# KiCad board keyboard.kicad_pcb
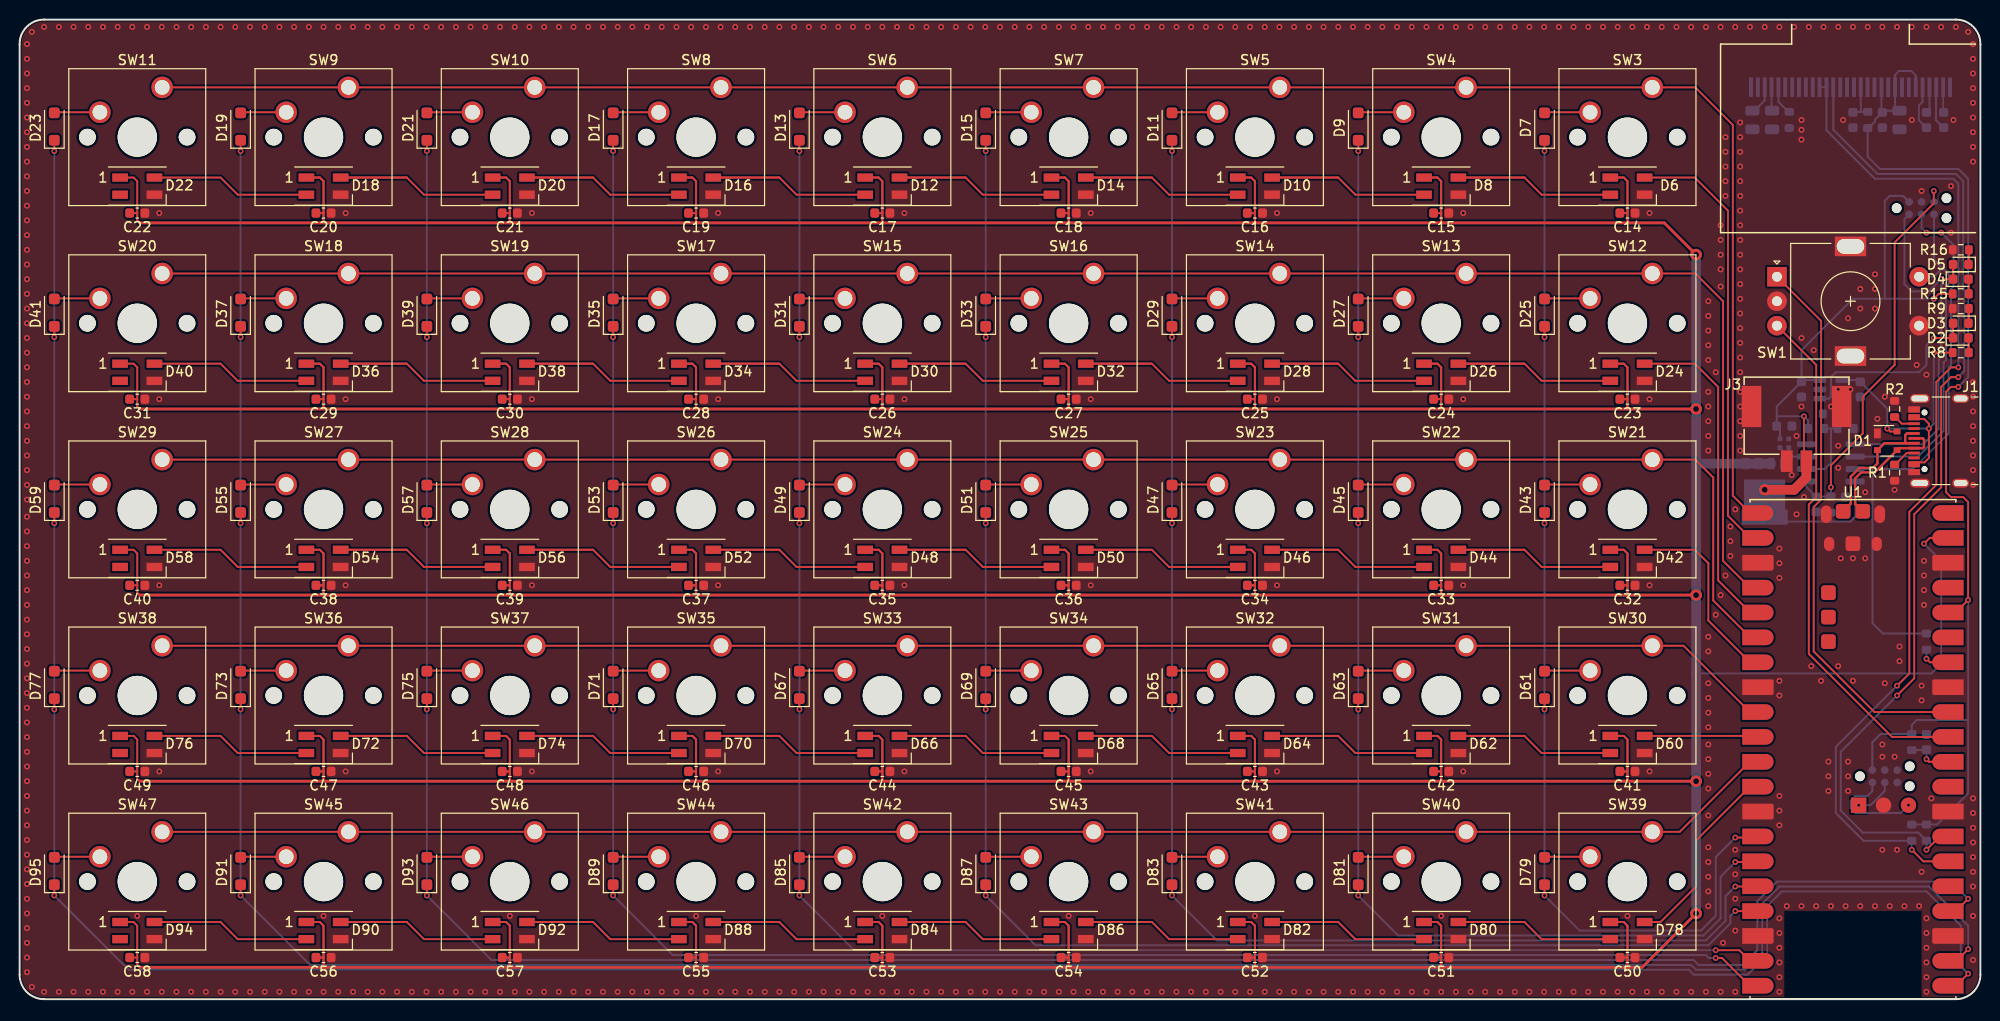
[diagram p0: board, top side]
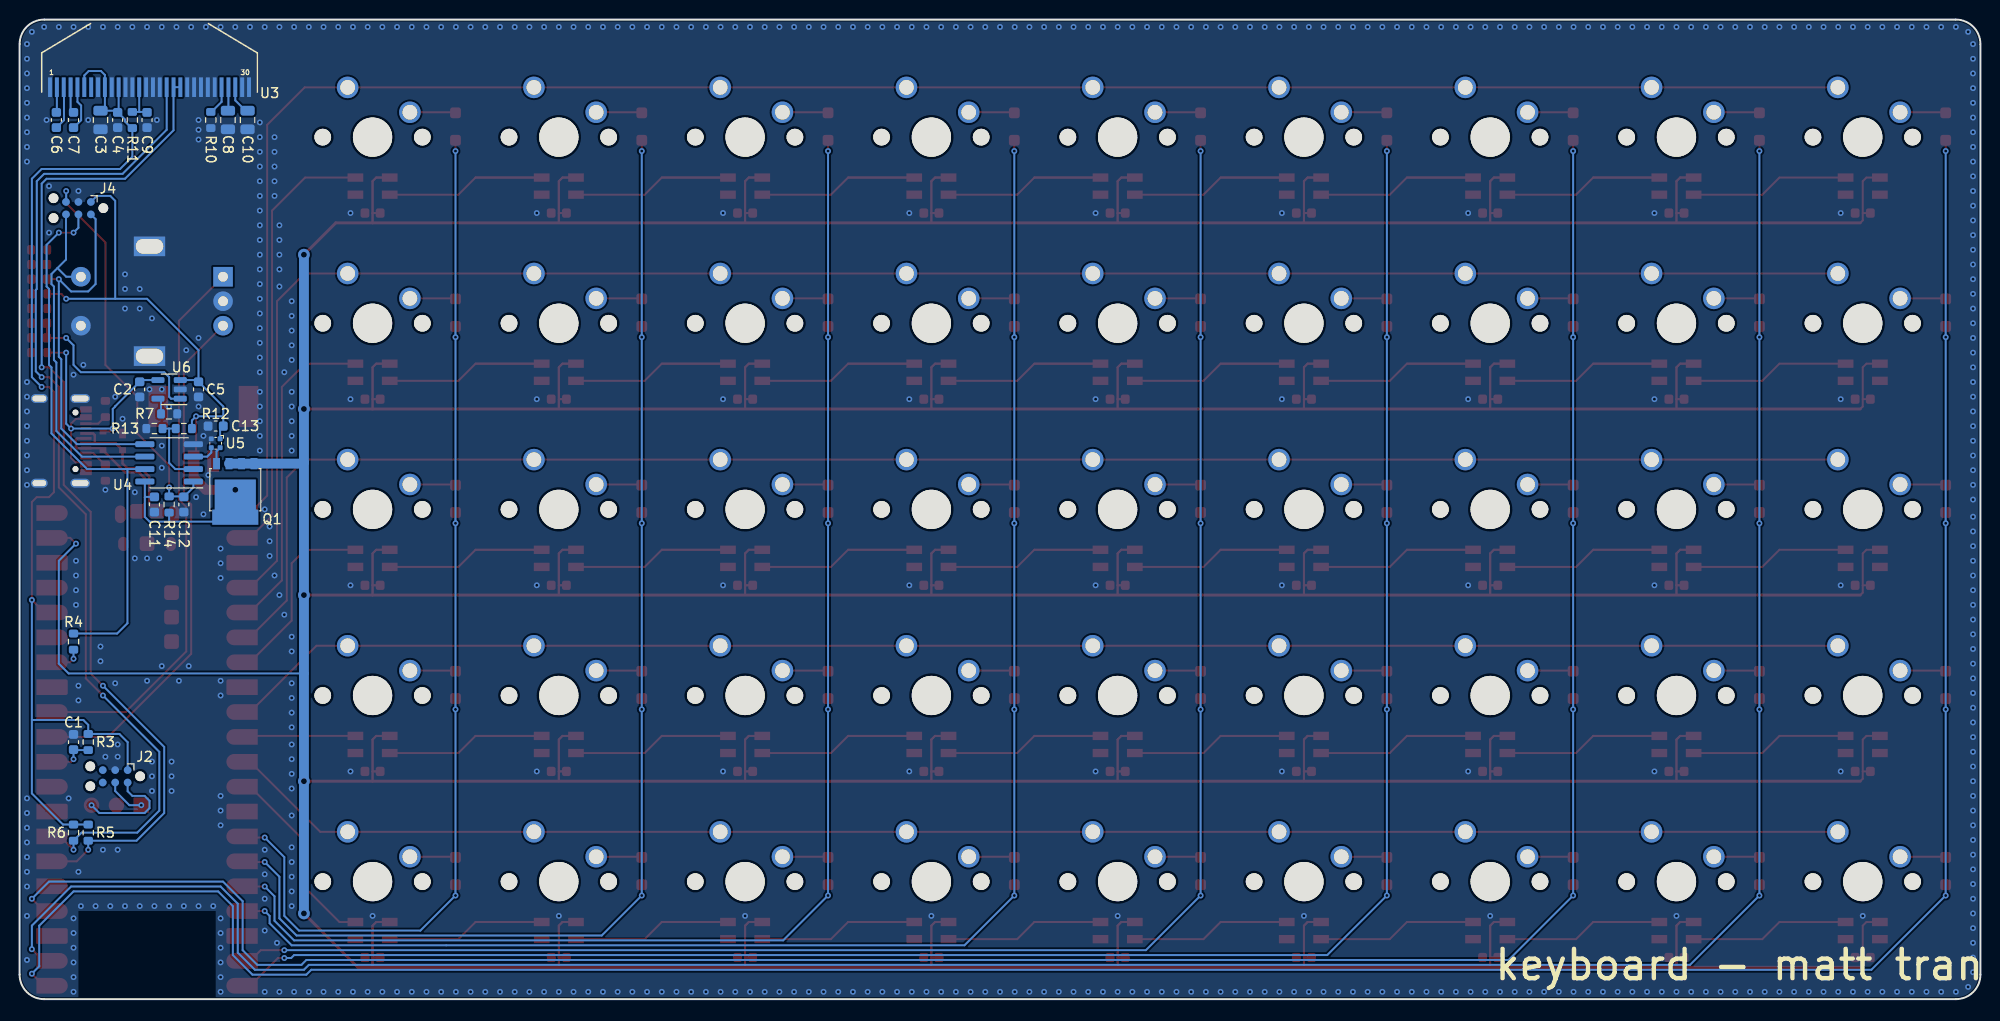
[diagram p1: board, bottom side, seen from below]

Outline 200 x 100 mm; copper layers: Top, Bottom. Coordinates in mm from the lower left corner of the outline.
Outline path: 0,97.5 0,2.5 arc(0.73,0.73) 2.5,0 197.5,0 arc(199.27,0.73) 200,2.5 200,97.5 arc(199.27,99.27) 197.5,100 2.5,100 arc(0.73,99.27) 0,97.5
Stack: Top 0.035mm / dielectric 1.51mm FR4 er 4.5 / Bottom 0.035mm

## Placement (name value [footprint] x y rotation side)
C1  100n  [C_0603_1608Metric]  194.5 26.25 90 bottom
C2  4u7  [C_0603_1608Metric]  187.75 62.25 270 bottom
C3  10u  [C_0805_2012Metric]  191.75 89.75 270 bottom
C4  100n  [C_0603_1608Metric]  190 89.75 270 bottom
C5  4u7  [C_0603_1608Metric]  181.75 62.25 270 bottom
C6  2u2  [C_0603_1608Metric]  196.25 89.75 270 bottom
C7  2u2  [C_0603_1608Metric]  194.5 89.75 270 bottom
C8  10u  [C_0805_2012Metric]  178.75 89.75 270 bottom
C9  100n  [C_0603_1608Metric]  187 89.75 270 bottom
C10  10u  [C_0805_2012Metric]  176.75 89.75 270 bottom
C11  100n  [C_0603_1608Metric]  186.25 50.5 270 bottom
C12  100n  [C_0603_1608Metric]  183.25 50.5 270 bottom
C13  4u7  [C_0603_1608Metric]  180 58.5 0 bottom
C14  100n  [C_0603_1608Metric]  164 80.25 180 top
C15  100n  [C_0603_1608Metric]  145 80.25 180 top
C16  100n  [C_0603_1608Metric]  126 80.25 180 top
C17  100n  [C_0603_1608Metric]  88 80.25 180 top
C18  100n  [C_0603_1608Metric]  107 80.25 180 top
C19  100n  [C_0603_1608Metric]  69 80.25 180 top
C20  100n  [C_0603_1608Metric]  31 80.25 180 top
C21  100n  [C_0603_1608Metric]  50 80.25 180 top
C22  100n  [C_0603_1608Metric]  12 80.25 180 top
C23  100n  [C_0603_1608Metric]  164 61.25 180 top
C24  100n  [C_0603_1608Metric]  145 61.25 180 top
C25  100n  [C_0603_1608Metric]  126 61.25 180 top
C26  100n  [C_0603_1608Metric]  88 61.25 180 top
C27  100n  [C_0603_1608Metric]  107 61.25 180 top
C28  100n  [C_0603_1608Metric]  69 61.25 180 top
C29  100n  [C_0603_1608Metric]  31 61.25 180 top
C30  100n  [C_0603_1608Metric]  50 61.25 180 top
C31  100n  [C_0603_1608Metric]  12 61.25 180 top
C32  100n  [C_0603_1608Metric]  164 42.25 180 top
C33  100n  [C_0603_1608Metric]  145 42.25 180 top
C34  100n  [C_0603_1608Metric]  126 42.25 180 top
C35  100n  [C_0603_1608Metric]  88 42.25 180 top
C36  100n  [C_0603_1608Metric]  107 42.25 180 top
C37  100n  [C_0603_1608Metric]  69 42.25 180 top
C38  100n  [C_0603_1608Metric]  31 42.25 180 top
C39  100n  [C_0603_1608Metric]  50 42.25 180 top
C40  100n  [C_0603_1608Metric]  12 42.25 180 top
C41  100n  [C_0603_1608Metric]  164 23.25 180 top
C42  100n  [C_0603_1608Metric]  145 23.25 180 top
C43  100n  [C_0603_1608Metric]  126 23.25 180 top
C44  100n  [C_0603_1608Metric]  88 23.25 180 top
C45  100n  [C_0603_1608Metric]  107 23.25 180 top
C46  100n  [C_0603_1608Metric]  69 23.25 180 top
C47  100n  [C_0603_1608Metric]  31 23.25 180 top
C48  100n  [C_0603_1608Metric]  50 23.25 180 top
C49  100n  [C_0603_1608Metric]  12 23.25 180 top
C50  100n  [C_0603_1608Metric]  164 4.25 180 top
C51  100n  [C_0603_1608Metric]  145 4.25 180 top
C52  100n  [C_0603_1608Metric]  126 4.25 180 top
C53  100n  [C_0603_1608Metric]  88 4.25 180 top
C54  100n  [C_0603_1608Metric]  107 4.25 180 top
C55  100n  [C_0603_1608Metric]  69 4.25 180 top
C56  100n  [C_0603_1608Metric]  31 4.25 180 top
C57  100n  [C_0603_1608Metric]  50 4.25 180 top
C58  100n  [C_0603_1608Metric]  12 4.25 180 top
D1  PRTR5V0U2X  [SOT-143]  190.5 57 0 top
D2  CHRG  [LED_0603_1608Metric]  198 67.5 0 top
D3  FULL  [LED_0603_1608Metric]  198 69 180 top
D4  low_batt  [LED_0603_1608Metric]  198 73.5 0 top
D5  pwr  [LED_0603_1608Metric]  198 75 180 top
D6  WS2812B  [LED_SK6812MINI_PLCC4_3.5x3.5mm_P1.75mm]  164 83 0 top
D7  D_Schottky_Small_Filled  [D_SOD-123F]  155.54 89.08 90 top
D8  WS2812B  [LED_SK6812MINI_PLCC4_3.5x3.5mm_P1.75mm]  145 83 0 top
D9  D_Schottky_Small_Filled  [D_SOD-123F]  136.54 89.08 90 top
D10  WS2812B  [LED_SK6812MINI_PLCC4_3.5x3.5mm_P1.75mm]  126 83 0 top
D11  D_Schottky_Small_Filled  [D_SOD-123F]  117.54 89.08 90 top
D12  WS2812B  [LED_SK6812MINI_PLCC4_3.5x3.5mm_P1.75mm]  88 83 0 top
D13  D_Schottky_Small_Filled  [D_SOD-123F]  79.54 89.08 90 top
D14  WS2812B  [LED_SK6812MINI_PLCC4_3.5x3.5mm_P1.75mm]  107 83 0 top
D15  D_Schottky_Small_Filled  [D_SOD-123F]  98.54 89.08 90 top
D16  WS2812B  [LED_SK6812MINI_PLCC4_3.5x3.5mm_P1.75mm]  69 83 0 top
D17  D_Schottky_Small_Filled  [D_SOD-123F]  60.54 89.08 90 top
D18  WS2812B  [LED_SK6812MINI_PLCC4_3.5x3.5mm_P1.75mm]  31 83 0 top
D19  D_Schottky_Small_Filled  [D_SOD-123F]  22.54 89.08 90 top
D20  WS2812B  [LED_SK6812MINI_PLCC4_3.5x3.5mm_P1.75mm]  50 83 0 top
D21  D_Schottky_Small_Filled  [D_SOD-123F]  41.54 89.08 90 top
D22  WS2812B  [LED_SK6812MINI_PLCC4_3.5x3.5mm_P1.75mm]  12 83 0 top
D23  D_Schottky_Small_Filled  [D_SOD-123F]  3.54 89.08 90 top
D24  WS2812B  [LED_SK6812MINI_PLCC4_3.5x3.5mm_P1.75mm]  164 64 0 top
D25  D_Schottky_Small_Filled  [D_SOD-123F]  155.54 70.08 90 top
D26  WS2812B  [LED_SK6812MINI_PLCC4_3.5x3.5mm_P1.75mm]  145 64 0 top
D27  D_Schottky_Small_Filled  [D_SOD-123F]  136.54 70.08 90 top
D28  WS2812B  [LED_SK6812MINI_PLCC4_3.5x3.5mm_P1.75mm]  126 64 0 top
D29  D_Schottky_Small_Filled  [D_SOD-123F]  117.54 70.08 90 top
D30  WS2812B  [LED_SK6812MINI_PLCC4_3.5x3.5mm_P1.75mm]  88 64 0 top
D31  D_Schottky_Small_Filled  [D_SOD-123F]  79.54 70.08 90 top
D32  WS2812B  [LED_SK6812MINI_PLCC4_3.5x3.5mm_P1.75mm]  107 64 0 top
D33  D_Schottky_Small_Filled  [D_SOD-123F]  98.54 70.08 90 top
D34  WS2812B  [LED_SK6812MINI_PLCC4_3.5x3.5mm_P1.75mm]  69 64 0 top
D35  D_Schottky_Small_Filled  [D_SOD-123F]  60.54 70.08 90 top
D36  WS2812B  [LED_SK6812MINI_PLCC4_3.5x3.5mm_P1.75mm]  31 64 0 top
D37  D_Schottky_Small_Filled  [D_SOD-123F]  22.54 70.08 90 top
D38  WS2812B  [LED_SK6812MINI_PLCC4_3.5x3.5mm_P1.75mm]  50 64 0 top
D39  D_Schottky_Small_Filled  [D_SOD-123F]  41.54 70.08 90 top
D40  WS2812B  [LED_SK6812MINI_PLCC4_3.5x3.5mm_P1.75mm]  12 64 0 top
D41  D_Schottky_Small_Filled  [D_SOD-123F]  3.54 70.08 90 top
D42  WS2812B  [LED_SK6812MINI_PLCC4_3.5x3.5mm_P1.75mm]  164 45 0 top
D43  D_Schottky_Small_Filled  [D_SOD-123F]  155.54 51.08 90 top
D44  WS2812B  [LED_SK6812MINI_PLCC4_3.5x3.5mm_P1.75mm]  145 45 0 top
D45  D_Schottky_Small_Filled  [D_SOD-123F]  136.54 51.08 90 top
D46  WS2812B  [LED_SK6812MINI_PLCC4_3.5x3.5mm_P1.75mm]  126 45 0 top
D47  D_Schottky_Small_Filled  [D_SOD-123F]  117.54 51.08 90 top
D48  WS2812B  [LED_SK6812MINI_PLCC4_3.5x3.5mm_P1.75mm]  88 45 0 top
D49  D_Schottky_Small_Filled  [D_SOD-123F]  79.54 51.08 90 top
D50  WS2812B  [LED_SK6812MINI_PLCC4_3.5x3.5mm_P1.75mm]  107 45 0 top
D51  D_Schottky_Small_Filled  [D_SOD-123F]  98.54 51.08 90 top
D52  WS2812B  [LED_SK6812MINI_PLCC4_3.5x3.5mm_P1.75mm]  69 45 0 top
D53  D_Schottky_Small_Filled  [D_SOD-123F]  60.54 51.08 90 top
D54  WS2812B  [LED_SK6812MINI_PLCC4_3.5x3.5mm_P1.75mm]  31 45 0 top
D55  D_Schottky_Small_Filled  [D_SOD-123F]  22.54 51.08 90 top
D56  WS2812B  [LED_SK6812MINI_PLCC4_3.5x3.5mm_P1.75mm]  50 45 0 top
D57  D_Schottky_Small_Filled  [D_SOD-123F]  41.54 51.08 90 top
D58  WS2812B  [LED_SK6812MINI_PLCC4_3.5x3.5mm_P1.75mm]  12 45 0 top
D59  D_Schottky_Small_Filled  [D_SOD-123F]  3.54 51.08 90 top
D60  WS2812B  [LED_SK6812MINI_PLCC4_3.5x3.5mm_P1.75mm]  164 26 0 top
D61  D_Schottky_Small_Filled  [D_SOD-123F]  155.54 32.08 90 top
D62  WS2812B  [LED_SK6812MINI_PLCC4_3.5x3.5mm_P1.75mm]  145 26 0 top
D63  D_Schottky_Small_Filled  [D_SOD-123F]  136.54 32.08 90 top
D64  WS2812B  [LED_SK6812MINI_PLCC4_3.5x3.5mm_P1.75mm]  126 26 0 top
D65  D_Schottky_Small_Filled  [D_SOD-123F]  117.54 32.08 90 top
D66  WS2812B  [LED_SK6812MINI_PLCC4_3.5x3.5mm_P1.75mm]  88 26 0 top
D67  D_Schottky_Small_Filled  [D_SOD-123F]  79.54 32.08 90 top
D68  WS2812B  [LED_SK6812MINI_PLCC4_3.5x3.5mm_P1.75mm]  107 26 0 top
D69  D_Schottky_Small_Filled  [D_SOD-123F]  98.54 32.08 90 top
D70  WS2812B  [LED_SK6812MINI_PLCC4_3.5x3.5mm_P1.75mm]  69 26 0 top
D71  D_Schottky_Small_Filled  [D_SOD-123F]  60.54 32.08 90 top
D72  WS2812B  [LED_SK6812MINI_PLCC4_3.5x3.5mm_P1.75mm]  31 26 0 top
D73  D_Schottky_Small_Filled  [D_SOD-123F]  22.54 32.08 90 top
D74  WS2812B  [LED_SK6812MINI_PLCC4_3.5x3.5mm_P1.75mm]  50 26 0 top
D75  D_Schottky_Small_Filled  [D_SOD-123F]  41.54 32.08 90 top
D76  WS2812B  [LED_SK6812MINI_PLCC4_3.5x3.5mm_P1.75mm]  12 26 0 top
D77  D_Schottky_Small_Filled  [D_SOD-123F]  3.54 32.08 90 top
D78  WS2812B  [LED_SK6812MINI_PLCC4_3.5x3.5mm_P1.75mm]  164 7 0 top
D79  D_Schottky_Small_Filled  [D_SOD-123F]  155.54 13.08 90 top
D80  WS2812B  [LED_SK6812MINI_PLCC4_3.5x3.5mm_P1.75mm]  145 7 0 top
D81  D_Schottky_Small_Filled  [D_SOD-123F]  136.54 13.08 90 top
D82  WS2812B  [LED_SK6812MINI_PLCC4_3.5x3.5mm_P1.75mm]  126 7 0 top
D83  D_Schottky_Small_Filled  [D_SOD-123F]  117.54 13.08 90 top
D84  WS2812B  [LED_SK6812MINI_PLCC4_3.5x3.5mm_P1.75mm]  88 7 0 top
D85  D_Schottky_Small_Filled  [D_SOD-123F]  79.54 13.08 90 top
D86  WS2812B  [LED_SK6812MINI_PLCC4_3.5x3.5mm_P1.75mm]  107 7 0 top
D87  D_Schottky_Small_Filled  [D_SOD-123F]  98.54 13.08 90 top
D88  WS2812B  [LED_SK6812MINI_PLCC4_3.5x3.5mm_P1.75mm]  69 7 0 top
D89  D_Schottky_Small_Filled  [D_SOD-123F]  60.54 13.08 90 top
D90  WS2812B  [LED_SK6812MINI_PLCC4_3.5x3.5mm_P1.75mm]  31 7 0 top
D91  D_Schottky_Small_Filled  [D_SOD-123F]  22.54 13.08 90 top
D92  WS2812B  [LED_SK6812MINI_PLCC4_3.5x3.5mm_P1.75mm]  50 7 0 top
D93  D_Schottky_Small_Filled  [D_SOD-123F]  41.54 13.08 90 top
D94  WS2812B  [LED_SK6812MINI_PLCC4_3.5x3.5mm_P1.75mm]  12 7 0 top
D95  D_Schottky_Small_Filled  [D_SOD-123F]  3.54 13.08 90 top
J1  USB_C  [USB_C_Receptacle_Palconn_UTC16-G]  195.75 57 90 top
J2  SWD  [Tag-Connect_TC2030-IDC-NL_2x03_P1.27mm_Vertical]  190.25 22.75 0 bottom
J3  lipo  [Molex_DuraClik_Vert_2pin]  181.25 63.5 180 top
J4  ICSP  [Tag-Connect_TC2030-IDC-NL_2x03_P1.27mm_Vertical]  194 80.75 0 bottom
Q1  PSMN4R5-30YLC  [LFPAK56]  178 52 270 bottom
R1  5k1  [R_0603_1608Metric]  191.25 53.75 270 top
R2  5k1  [R_0603_1608Metric]  191.25 60.25 90 top
R3  10k  [R_0603_1608Metric]  193 26.25 270 bottom
R4  22  [R_0603_1608Metric]  194.5 36.5 90 bottom
R5  2k2  [R_0603_1608Metric]  193 17 270 bottom
R6  2k2  [R_0603_1608Metric]  194.5 17 270 bottom
R7  2k2  [R_0603_1608Metric]  184.75 59.75 180 bottom
R8  2k2  [R_0603_1608Metric]  198 66 180 top
R9  2k2  [R_0603_1608Metric]  198 70.5 180 top
R10  390k  [R_0603_1608Metric]  180.5 89.75 270 bottom
R11  10k  [R_0603_1608Metric]  188.5 89.75 90 bottom
R12  10M  [R_0603_1608Metric]  183.25 58.25 0 bottom
R13  1M  [R_0603_1608Metric]  186.25 58.25 0 bottom
R14  10k  [R_0603_1608Metric]  184.75 50.5 90 bottom
R15  10k  [R_0603_1608Metric]  198 72 0 top
R16  10k  [R_0603_1608Metric]  198 76.5 180 top
SW1  spinny boi  [RotaryEncoder_Alps_EC11E-Switch_Vertical_H20mm]  179.25 73.75 0 top
SW3  MX  [SW_Cherry_MX_1.00u_PCB]  166.54 93.08 0 top
SW4  MX  [SW_Cherry_MX_1.00u_PCB]  147.54 93.08 0 top
SW5  MX  [SW_Cherry_MX_1.00u_PCB]  128.54 93.08 0 top
SW6  MX  [SW_Cherry_MX_1.00u_PCB]  90.54 93.08 0 top
SW7  MX  [SW_Cherry_MX_1.00u_PCB]  109.54 93.08 0 top
SW8  MX  [SW_Cherry_MX_1.00u_PCB]  71.54 93.08 0 top
SW9  MX  [SW_Cherry_MX_1.00u_PCB]  33.54 93.08 0 top
SW10  MX  [SW_Cherry_MX_1.00u_PCB]  52.54 93.08 0 top
SW11  MX  [SW_Cherry_MX_1.00u_PCB]  14.54 93.08 0 top
SW12  MX  [SW_Cherry_MX_1.00u_PCB]  166.54 74.08 0 top
SW13  MX  [SW_Cherry_MX_1.00u_PCB]  147.54 74.08 0 top
SW14  MX  [SW_Cherry_MX_1.00u_PCB]  128.54 74.08 0 top
SW15  MX  [SW_Cherry_MX_1.00u_PCB]  90.54 74.08 0 top
SW16  MX  [SW_Cherry_MX_1.00u_PCB]  109.54 74.08 0 top
SW17  MX  [SW_Cherry_MX_1.00u_PCB]  71.54 74.08 0 top
SW18  MX  [SW_Cherry_MX_1.00u_PCB]  33.54 74.08 0 top
SW19  MX  [SW_Cherry_MX_1.00u_PCB]  52.54 74.08 0 top
SW20  MX  [SW_Cherry_MX_1.00u_PCB]  14.54 74.08 0 top
SW21  MX  [SW_Cherry_MX_1.00u_PCB]  166.54 55.08 0 top
SW22  MX  [SW_Cherry_MX_1.00u_PCB]  147.54 55.08 0 top
SW23  MX  [SW_Cherry_MX_1.00u_PCB]  128.54 55.08 0 top
SW24  MX  [SW_Cherry_MX_1.00u_PCB]  90.54 55.08 0 top
SW25  MX  [SW_Cherry_MX_1.00u_PCB]  109.54 55.08 0 top
SW26  MX  [SW_Cherry_MX_1.00u_PCB]  71.54 55.08 0 top
SW27  MX  [SW_Cherry_MX_1.00u_PCB]  33.54 55.08 0 top
SW28  MX  [SW_Cherry_MX_1.00u_PCB]  52.54 55.08 0 top
SW29  MX  [SW_Cherry_MX_1.00u_PCB]  14.54 55.08 0 top
SW30  MX  [SW_Cherry_MX_1.00u_PCB]  166.54 36.08 0 top
SW31  MX  [SW_Cherry_MX_1.00u_PCB]  147.54 36.08 0 top
SW32  MX  [SW_Cherry_MX_1.00u_PCB]  128.54 36.08 0 top
SW33  MX  [SW_Cherry_MX_1.00u_PCB]  90.54 36.08 0 top
SW34  MX  [SW_Cherry_MX_1.00u_PCB]  109.54 36.08 0 top
SW35  MX  [SW_Cherry_MX_1.00u_PCB]  71.54 36.08 0 top
SW36  MX  [SW_Cherry_MX_1.00u_PCB]  33.54 36.08 0 top
SW37  MX  [SW_Cherry_MX_1.00u_PCB]  52.54 36.08 0 top
SW38  MX  [SW_Cherry_MX_1.00u_PCB]  14.54 36.08 0 top
SW39  MX  [SW_Cherry_MX_1.00u_PCB]  166.54 17.08 0 top
SW40  MX  [SW_Cherry_MX_1.00u_PCB]  147.54 17.08 0 top
SW41  MX  [SW_Cherry_MX_1.00u_PCB]  128.54 17.08 0 top
SW42  MX  [SW_Cherry_MX_1.00u_PCB]  90.54 17.08 0 top
SW43  MX  [SW_Cherry_MX_1.00u_PCB]  109.54 17.08 0 top
SW44  MX  [SW_Cherry_MX_1.00u_PCB]  71.54 17.08 0 top
SW45  MX  [SW_Cherry_MX_1.00u_PCB]  33.54 17.08 0 top
SW46  MX  [SW_Cherry_MX_1.00u_PCB]  52.54 17.08 0 top
SW47  MX  [SW_Cherry_MX_1.00u_PCB]  14.54 17.08 0 top
U1  RPi_Pico  [RPi_Pico_W]  187 25.5 0 top
U3  -  [SSD1306]  186.75 93.1 0 bottom
U4  ATtiny13A-SS  [SOIC-8_3.9x4.9mm_P1.27mm]  184.75 54.75 0 bottom
U5  MIC5019  [Micrel_QFN-4_1.2x1.2mm_P0.65mm]  180 56.75 0 bottom
U6  MCP73831-2-OT  [SOT-23-5]  184.75 62.25 0 bottom

## Library data of the parts
C1-C58 = -: Description: Unpolarized capacitor, small symbol
D1 = -: Description: Ultra low capacitance double rail-to-rail ESD protection diode, SOT-143
D2-D5 = -: Description: Light emitting diode, small symbol
D6 D8 D10 D12 D14 D16 D18 D20 D22 D24 D26 D28 D30 D32 D34 D36 D38 D40 D42 D44 D46 D48 D50 D52 D54 D56 D58 D60 D62 D64 D66 D68 D70 D72 D74 D76 D78 D80 D82 D84 D86 D88 D90 D92 D94 = -: Description: RGB LED with integrated controller
D7 D9 D11 D13 D15 D17 D19 D21 D23 D25 D27 D29 D31 D33 D35 D37 D39 D41 D43 D45 D47 D49 D51 D53 D55 D57 D59 D61 D63 D65 D67 D69 D71 D73 D75 D77 D79 D81 D83 D85 D87 D89 D91 D93 D95 = -: Description: Schottky diode, small symbol, filled shape
J1 = -: Description: USB 2.0-only Type-C Receptacle connector
J2 J4 = -: Description: Generic connector, double row, 02x03, odd/even pin numbering scheme (row 1 odd numbers, row 2 even numbers), script generated (kicad-library-utils/schlib/autogen/connector/)
J3 = -: Description: Generic connector, single row, 01x02, script generated (kicad-library-utils/schlib/autogen/connector/)
Q1 = -: Description: 100A, 60V Vds, N-Channel MOSFET, 5.2mOhm Ron, LFPAK56
R1-R16 = -: Description: Resistor, small symbol
SW1 = -: Description: Rotary encoder, dual channel, incremental quadrate outputs, with switch
SW3-SW47 = -: Description: Single Pole Single Throw (SPST) switch
U4 = -: Description: 20MHz, 1kB Flash, 64B SRAM, 64B EEPROM, debugWIRE, SOIC-8
U6 = -: Description: Single cell, Li-Ion/Li-Po charge management controller, 4.20V, Tri-State Status Output, in SOT23-5 package

## Footprints (pads in the part's own frame, mm; a bottom-side part is the same pattern mirrored in y, then rotated)
C_0603_1608Metric
  rrect 0.9x0.95 smd: 1(-0.775,0) 2(0.775,0)
C_0805_2012Metric
  rrect 1x1.45 smd: 1(-0.95,0) 2(0.95,0)
D_SOD-123F
  rrect 1.1x1.1 smd: 1(-1.4,0) 2(1.4,0)
LED_0603_1608Metric
  rrect 0.875x0.95 smd: 1(-0.787,0) 2(0.787,0)
LED_SK6812MINI_PLCC4_3.5x3.5mm_P1.75mm
  rect 1.6x0.85 smd: 1(-1.75,0.875) 2(-1.75,-0.875) 3(1.75,-0.875) 4(1.75,0.875)
LFPAK56
  rect 0.6x0.9 smd: (-0.5,-1.15) (-0.5,0) (-0.5,1.15) (0.35,-1.15) (0.35,0) (0.35,1.15) (1.2,-1.15) (1.2,0) (1.2,1.15)
  rect 0.9x0.6 smd: (3.05,-1.88) (3.05,-0.6) (3.05,0.6) (3.05,1.88)
  rect 1.15x0.7 smd: 1(-2.67,1.91) 2(-2.67,0.64) 3(-2.67,-0.64) 4(-2.67,-1.91)
  custom 4.625x4.7 smd: 5(0.6,0)
Micrel_QFN-4_1.2x1.2mm_P0.65mm
  rrect 0.5x0.5 smd: 1(-0.45,-0.45) 2(0.45,-0.45) 3(0.45,0.45) 4(-0.45,0.45)
Molex_DuraClik_Vert_2pin
  rect 1.2x2.2 smd: 1(1,8.58) 2(-1,8.58)
  rect 2x4.2 smd: MP(-4.6,3) MP(4.6,3)
R_0603_1608Metric
  rrect 0.8x0.95 smd: 1(-0.825,0) 2(0.825,0)
RotaryEncoder_Alps_EC11E-Switch_Vertical_H20mm
  rect 2x2 hole 1: A(0,0)
  round 2 hole 1: B(0,-5) C(0,-2.5) S1(14.5,-5) S2(14.5,0)
  rect 3.2x2 hole 2.8x1.5: MP(7.5,3.1) MP(7.5,-8.1)
RPi_Pico_W
  rrect 3.2x1.6 smd: 1(-9.69,24.13) 2(-9.69,21.59) 3(-9.69,19.05) 4(-9.69,16.51) 5(-9.69,13.97) 6(-9.69,11.43) 7(-9.69,8.89) 8(-9.69,6.35) 9(-9.69,3.81) 10(-9.69,1.27) 11(-9.69,-1.27) 12(-9.69,-3.81) 13(-9.69,-6.35) 14(-9.69,-8.89) 15(-9.69,-11.43) 16(-9.69,-13.97) 17(-9.69,-16.51) 18(-9.69,-19.05) 19(-9.69,-21.59) 20(-9.69,-24.13) 21(9.69,-24.13) 22(9.69,-21.59) 23(9.69,-19.05) 24(9.69,-16.51) 25(9.69,-13.97) 26(9.69,-11.43) 27(9.69,-8.89) 28(9.69,-6.35) 29(9.69,-3.81) 30(9.69,-1.27) 31(9.69,1.27) 32(9.69,3.81) 33(9.69,6.35) 34(9.69,8.89) 35(9.69,11.43) 36(9.69,13.97) 37(9.69,16.51) 38(9.69,19.05) 39(9.69,21.59) 40(9.69,24.13)
  rect 1.575x1.575 smd: D1(0.584,-5.7)
  round 1.575 smd: D2(3.124,-5.7) D3(5.664,-5.7)
  rrect 1.1x1.8 smd: MNT(-2.725,24) MNT(2.725,24)
  rrect 1.05x1.45 smd: MNT(-2.425,20.97) MNT(2.425,20.97)
  rrect 1.5x1.5 smd: TP1(0,21) TP2(1,24.3) TP3(-1,24.3) TP4(-2.5,16) TP5(-2.5,13.5) TP6(-2.5,11)
SOIC-8_3.9x4.9mm_P1.27mm
  rrect 1.95x0.6 smd: 1(-2.475,1.905) 2(-2.475,0.635) 3(-2.475,-0.635) 4(-2.475,-1.905) 5(2.475,-1.905) 6(2.475,-0.635) 7(2.475,0.635) 8(2.475,1.905)
SOT-23-5
  rrect 1.325x0.6 smd: 1(-1.137,0.95) 2(-1.137,0) 3(-1.137,-0.95) 4(1.137,-0.95) 5(1.137,0.95)
SOT-143
  rect 0.7x1 smd: 1(-1,0.75)
  rect 0.7x0.6 smd: 2(-1,-0.95) 3(1,-0.95) 4(1,0.95)
SSD1306
  rect 0.4x2 smd: 1(10.15,0) 2(9.45,0) 3(8.75,0) 4(8.05,0) 5(7.35,0) 6(6.65,0) 7(5.95,0) 8(5.25,0) 9(4.55,0) 10(3.85,0) 11(3.15,0) 12(2.45,0) 13(1.75,0) 14(1.05,0) 15(0.35,0) 16(-0.35,0) 17(-1.05,0) 18(-1.75,0) 19(-2.45,0) 20(-3.15,0) 21(-3.85,0) 22(-4.55,0) 23(-5.25,0) 24(-5.95,0) 25(-6.65,0) 26(-7.35,0) 27(-8.05,0) 28(-8.75,0) 29(-9.45,0) 30(-10.15,0)
SW_Cherry_MX_1.00u_PCB
  round 1.7 hole 1.7 unplated: (-7.62,-5.08) (2.54,-5.08)
  round 4 hole 4 unplated: (-2.54,-5.08)
  round 2.2 hole 1.5: 1(0,0) 2(-6.35,-2.54)
Tag-Connect_TC2030-IDC-NL_2x03_P1.27mm_Vertical
  round 0.991 hole 0.991 unplated: (-2.54,0) (2.54,-1.016) (2.54,1.016)
  round 0.787 smd: 1(-1.27,-0.635) 2(-1.27,0.635) 3(0,-0.635) 4(0,0.635) 5(1.27,-0.635) 6(1.27,0.635)
USB_C_Receptacle_Palconn_UTC16-G
  round 0.6 hole 0.6 unplated: (-2.89,1.45) (2.89,1.45)
  rect 0.6x1.16 smd: A1(-3.2,2.51) A4(-2.4,2.51) A9(2.4,2.51) A12(3.2,2.51) B1(3.2,2.51) B4(2.4,2.51) B9(-2.4,2.51) B12(-3.2,2.51)
  rect 0.3x1.16 smd: A5(-1.25,2.51) A6(-0.25,2.51) A7(0.25,2.51) A8(1.25,2.51) B5(1.75,2.51) B6(0.75,2.51) B7(-0.75,2.51) B8(-1.75,2.51)
  oval 0.9x2 hole 0.6x1.7: S1(-4.32,1.93) S1(4.32,1.93)
  oval 0.9x1.7 hole 0.6x1.4: S1(-4.32,-2.24) S1(4.32,-2.24)
